# Altium PCB SysUprTestUUDown.PcbDoc (part 2 of 3)
Units mm, origin at the board's own origin, x right, y up, seen from the top; angles counter-clockwise.
Board outline 140.1 x 94.7 mm, 4 copper layers (Top Layer, Mid-Layer 1, Mid-Layer 2, Bottom Layer), stack 1.572 mm thick; 248 components, 135 nets, 1205 pads, 426 vias.
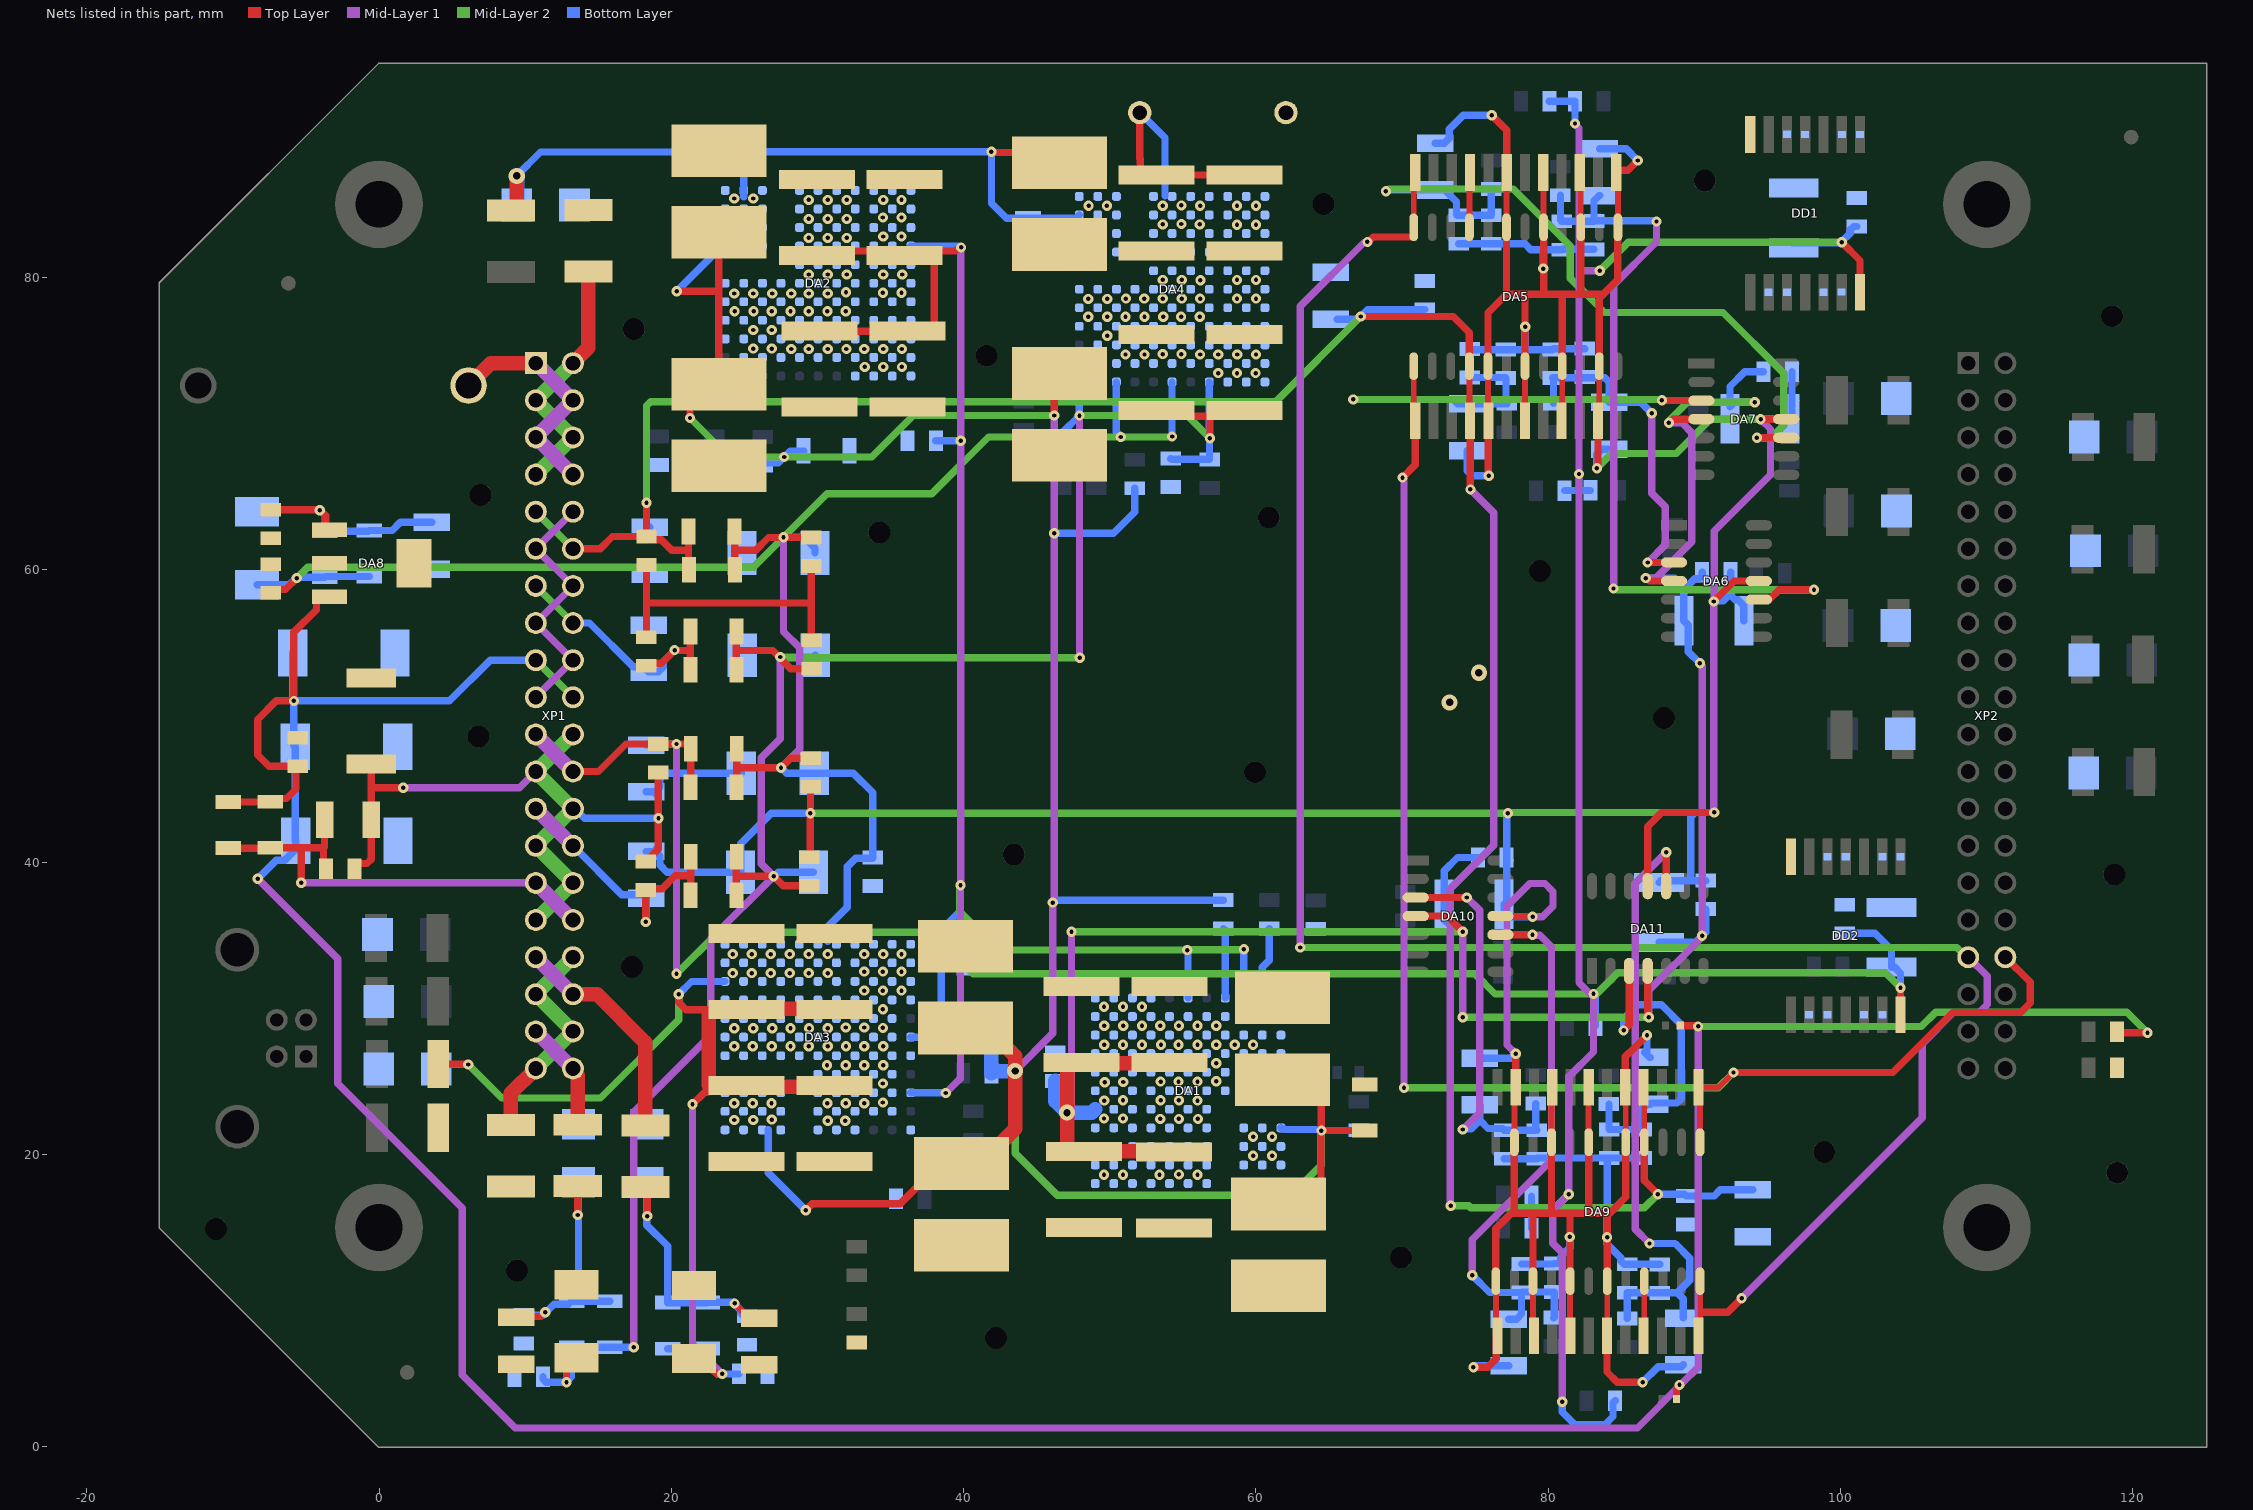
[diagram p4: the nets of this part, all layers, seen from the top]

## Part data (continued)
R19 R20 R21 R22 R24 R26 R28 R30 R43 R44 R54 R55 R56 R57 R59 R61 R63 R65: library part 2905, Manufacturer="АО «НПО «Эркон»", ManufacturerTU=ОЖ0.467.164ТУ, Package="0402 (1005)", PartNumber="Р1-8В-0,063-10 кОм±5 %-Т-А", PowerLimit=0,063, SolderTemperature=255, TemperatureRange="от минус 65 до 155", VoltageLimit=50, Alternative="0402 10 кОм, 0,062 Вт, ±5 %", Alternative2="Р1-8В-0,062-10 кОм±5 %-Т-А ОЖ0.467.164ТУ", CardKRR=68, ComponentLink1Description=Р1-8В, ComponentLink1URL=\\192.168.0.101\U_Base\PDF\R\Р1-8В.pdf, DataSheet=#\\192.168.0.101\U_Base\PDF\R\Р1-8В.pdf#, Group=Резисторы, HelpURL=\\192.168.0.101\U_Base\PDF\R\Р1-8В.pdf, key=2905, Mark=103, Mass=0,0007, MilitaryControl=ВП, Modify=28.06.2019, MountType=ПМ, Name=Р1-8В, SolderName=R1-8B-0.063-10kOm, ViewControl="В, 10%", X_SORT_1=400, X_SORT_2=100, X_SORT_3=2
R23 R25 R27 R29 R58 R60 R62 R64: library part 32904931, Manufacturer="АО «НПО «Эркон»", ManufacturerTU=ОЖ0.467.164ТУ, Package="0805 (2012)", PartNumber="Р1-8В-0,125-5,6 кОм±5 %-Т-А", PowerLimit=0,125, SolderTemperature=255, TemperatureRange="от минус 65 до 155", VoltageLimit=150, Alternative="0805 5,6 кОм, 0,125 Вт, ±5 %", Alternative2="Р1-8В-0,125-5,6 кОм±5 %-Т-А ОЖ0.467.164ТУ", CardKRR=68, ComponentLink1Description=Р1-8В, ComponentLink1URL=\\192.168.0.101\U_Base\PDF\R\Р1-8В.pdf, DataSheet=#\\192.168.0.101\U_Base\PDF\R\Р1-8В.pdf#, Group=Резисторы, HelpURL=\\192.168.0.101\U_Base\PDF\R\Р1-8В.pdf, key=32904931, Mark=562, Mass=0,006, MilitaryControl=ВП, Modify=28.06.2019, MountType=ПМ, Name=Р1-8В, SolderName=R1-8B-0.125-5.6kOm, ViewControl="В, 10%", X_SORT_1=400, X_SORT_2=100, X_SORT_3=2
R31 R32 R33 R34 R35 R36 R37 R38 R68 R69 R70 R71 R72 R73 R74 R75: library part 32904929, Manufacturer="АО «НПО «Эркон»", ManufacturerTU=ОЖ0.467.164ТУ, Package="0805 (2012)", PartNumber="Р1-8В-0,125-2 кОм±5 %-Т-А", PowerLimit=0,125, SolderTemperature=255, TemperatureRange="от минус 65 до 155", VoltageLimit=150, Alternative="0805 2 кОм, 0,125 Вт, ±5 %", Alternative2="Р1-8В-0,125-2 кОм±5 %-Т-А ОЖ0.467.164ТУ", CardKRR=68, ComponentLink1Description=Р1-8В, ComponentLink1URL=\\192.168.0.101\U_Base\PDF\R\Р1-8В.pdf, DataSheet=#\\192.168.0.101\U_Base\PDF\R\Р1-8В.pdf#, Group=Резисторы, HelpURL=\\192.168.0.101\U_Base\PDF\R\Р1-8В.pdf, key=32904929, Mark=202, Mass=0,006, MilitaryControl=ВП, Modify=28.06.2019, MountType=ПМ, Name=Р1-8В, SolderName=R1-8B-0.125-2kOm, ViewControl="В, 10%", X_SORT_1=400, X_SORT_2=100, X_SORT_3=2
R39 R40 R41 R42 R76 R77 R78 R79: library part 2901, Manufacturer="АО «НПО «Эркон»", ManufacturerTU=ОЖ0.467.164ТУ, Package="0402 (1005)", PartNumber="Р1-8В-0,063-1 кОм±5 %-Т-А", PowerLimit=0,063, SolderTemperature=255, TemperatureRange="от минус 65 до 155", VoltageLimit=50, Alternative="0402 1 кОм, 0,062 Вт, ±5 %", Alternative2="Р1-8В-0,062-1 кОм±5 %-Т-А ОЖ0.467.164ТУ", CardKRR=68, ComponentLink1Description=Р1-8В, ComponentLink1URL=\\192.168.0.101\U_Base\PDF\R\Р1-8В.pdf, DataSheet=#\\192.168.0.101\U_Base\PDF\R\Р1-8В.pdf#, Group=Резисторы, HelpURL=\\192.168.0.101\U_Base\PDF\R\Р1-8В.pdf, key=2901, Mark=102, Mass=0,0007, MilitaryControl=ВП, Modify=28.06.2019, MountType=ПМ, Name=Р1-8В, SolderName=R1-8B-0.063-1kOm, ViewControl="В, 10%", X_SORT_1=400, X_SORT_2=100, X_SORT_3=2
R45 R46 R47 R52 R53 R66 R80 R81: library part 3037, Manufacturer="АО «НПО «Эркон»", ManufacturerTU=ОЖ0.467.164ТУ, Package="1206 (3216)", PartNumber="Р1-8В-0,25-100 Ом±5 %-Т-А", PowerLimit=0,25, SolderTemperature=255, TemperatureRange="от минус 65 до 155", VoltageLimit=200, Alternative="1206 100 Ом, 0,25 Вт, ±5 %", Alternative2="Р1-8В-0,25-100 Ом±5 %-Т-А ОЖ0.467.164ТУ", CardKRR=68, ComponentLink1Description=Р1-8В, ComponentLink1URL=\\192.168.0.253\U_Base\PDF\R\Р1-8В.pdf, DataSheet=\\192.168.0.253\U_Base\PDF\R\Р1-8В.pdf, Group=Резисторы, HelpURL=\\192.168.0.253\U_Base\PDF\R\Р1-8В.pdf, key=3037, Mark=101, Mass=0,01, MilitaryControl=ВП, Modify=28.06.2019, MountType=ПМ, Name=Р1-8В, SolderName=R1-8B-0.25-100Om, ViewControl="В, 10%", X_SORT_1=400, X_SORT_2=100, X_SORT_3=2
R48 R49 R50 R51 R82 R83 R84 R85: library part 32904937, Manufacturer="АО «НПО «Эркон»", ManufacturerTU=ОЖ0.467.164ТУ, Package="0805 (2012)", PartNumber="Р1-8В-0,125-20 кОм±5 %-Т-А", PowerLimit=0,125, SolderTemperature=255, TemperatureRange="от минус 65 до 155", VoltageLimit=150, Alternative="0805 20 кОм, 0,125 Вт, ±5 %", Alternative2="Р1-8В-0,125-20 кОм±5 %-Т-А ОЖ0.467.164ТУ", CardKRR=68, ComponentLink1Description=Р1-8В, ComponentLink1URL=\\192.168.0.101\U_Base\PDF\R\Р1-8В.pdf, DataSheet=#\\192.168.0.101\U_Base\PDF\R\Р1-8В.pdf#, Group=Резисторы, HelpURL=\\192.168.0.101\U_Base\PDF\R\Р1-8В.pdf, key=32904937, Mark=203, Mass=0,006, MilitaryControl=ВП, Modify=17.01.2023, MountType=ПМ, Name=Р1-8В, SolderName=R1-8B-0.125-20kOm, ViewControl="В, 10%", X_SORT_1=400, X_SORT_2=100, X_SORT_3=2
R67: library part 3121, Manufacturer="АО «НПО «Эркон»", ManufacturerTU=ОЖ0.467.164ТУ, Package="2512 (6432)", PartNumber="Р1-8В-1,0-0,15 Ом±20 %-А", PowerLimit=1, SolderTemperature=255, TemperatureRange="от минус 65 до 155", VoltageLimit=200, Alternative="2512 0,15 Ом, 1 Вт, ±5 %", Alternative2="Р1-8В-1,0-0,15 Ом±20 %-А ОЖ0.467.164ТУ", CardKRR=68, ComponentLink1Description=Р1-8В, ComponentLink1URL=\\192.168.0.253\U_Base\PDF\R\Р1-8В.pdf, DataSheet=\\192.168.0.253\U_Base\PDF\R\Р1-8В.pdf, Group=Резисторы, HelpURL=\\192.168.0.253\U_Base\PDF\R\Р1-8В.pdf, key=3121, Mark=0R15, Mass=0,04, MilitaryControl=ВП, Modify=28.06.2019, MountType=ПМ, Name=Р1-8В, SolderName=R1-8B-1.0-0.15Om, ViewControl="В, 10%", X_SORT_1=400, X_SORT_2=100, X_SORT_3=2
R86: library part 2965, Manufacturer="АО «НПО «Эркон»", ManufacturerTU=ОЖ0.467.164ТУ, Package="0805 (2012)", PartNumber="Р1-8В-0,125-100 кОм±5 %-Т-А", PowerLimit=0,125, SolderTemperature=255, TemperatureRange="от минус 65 до 155", VoltageLimit=150, Alternative="0805 100 кОм, 0,125 Вт, ±5 %", Alternative2="Р1-8В-0,125-100 кОм±5 %-Т-А ОЖ0.467.164ТУ", CardKRR=68, ComponentLink1Description=Р1-8В, ComponentLink1URL=\\192.168.0.101\U_Base\PDF\R\Р1-8В.pdf, DataSheet=#\\192.168.0.101\U_Base\PDF\R\Р1-8В.pdf#, Group=Резисторы, HelpURL=\\192.168.0.101\U_Base\PDF\R\Р1-8В.pdf, key=2965, Mark=104, Mass=0,006, MilitaryControl=ВП, Modify=28.06.2019, MountType=ПМ, Name=Р1-8В, SolderName=R1-8B-0.125-100kOm, ViewControl="В, 10%", X_SORT_1=400, X_SORT_2=100, X_SORT_3=2
R87: library part 2960, Manufacturer="АО «НПО «Эркон»", ManufacturerTU=ОЖ0.467.164ТУ, Package="0805 (2012)", PartNumber="Р1-8В-0,125-1,5 кОм±5 %-Т-А", PowerLimit=0,125, SolderTemperature=255, TemperatureRange="от минус 65 до 155", VoltageLimit=150, Alternative="0805 1,5 кОм, 0,125 Вт, ±5 %", Alternative2="Р1-8В-0,125-1,5 кОм±5 %-Т-А ОЖ0.467.164ТУ", CardKRR=68, ComponentLink1Description=Р1-8В, ComponentLink1URL=\\192.168.0.101\U_Base\PDF\R\Р1-8В.pdf, DataSheet=#\\192.168.0.101\U_Base\PDF\R\Р1-8В.pdf#, Group=Резисторы, HelpURL=\\192.168.0.101\U_Base\PDF\R\Р1-8В.pdf, key=2960, Mark=152, Mass=0,006, MilitaryControl=ВП, Modify=28.06.2019, MountType=ПМ, Name=Р1-8В, SolderName=R1-8B-0.125-1.5kOm, ViewControl="В, 10%", X_SORT_1=400, X_SORT_2=100, X_SORT_3=2
REPER1 REPER2 REPER3 REPER4 REPER5 REPER6: library part 27
VD1: library part 93, Manufacturer=MIC, Package=DO-201, PartNumber=HER307, SolderTemperature=260, TemperatureRange="от минус 65 до 150", CardKRR=55, ComponentLink1Description=HER307, ComponentLink1URL=\\192.168.0.101\U_Base\PDF\V\HER307.pdf, DataSheet=#\\192.168.0.101\U_Base\PDF\V\HER307.pdf#, Group=Диоды, HelpURL=\\192.168.0.101\U_Base\PDF\V\HER307.pdf, key=93, MilitaryControl=ОТК, Modify=14.03.2019, MountType=РМ, Name=HER307, Notice="DC Components", SolderName=HER307, ViewControl="В, 10%", X_SORT_1=500, X_SORT_2=300, X_SORT_3=2
VD2: library part 167, Manufacturer=STMicroelectronics, PartNumber=SMBJ58CA, TemperatureRange="от минус 55 до 150", CardKRR=55, ComponentLink1URL=\\192.168.0.101\U_Base\PDF\V\Bourns_SMBJ.pdf, DataSheet=#\\192.168.0.101\U_Base\PDF\V\Bourns_SMBJ.pdf#, Group=Диоды, HelpURL=\\192.168.0.101\U_Base\PDF\V\Bourns_SMBJ.pdf, key=167, Modify=20.01.2023, Name=SMBJ58CA, SolderName=SMBJ58CA, X_SORT_3=2
VD3: library part 23, Manufacturer="АО «НИИПП»", ManufacturerTU=АЕЯР.432120.206ТУ, Package=KD-4, PartNumber="Диод Шоттки 3Д713А", TemperatureRange="от минус 65 до 125", Alternative=SR160, CardKRR=55, ComponentLink1Description=3Д713, ComponentLink1URL="\\192.168.0.101\U_Base\PDF\V\РД 11 0909.3-2005.pdf", DataSheet="#\\192.168.0.101\U_Base\PDF\V\РД 11 0909.3-2005.pdf#", Group=Диоды, HelpURL="\\192.168.0.101\U_Base\PDF\V\РД 11 0909.3-2005.pdf", key=23, Mass=0,001, MilitaryControl=ВП, Modify=14.03.2019, MountType=РМ, Name=3Д713А, SolderName=3D713A, ViewControl="В, 10%", X_SORT_1=500, X_SORT_2=300, X_SORT_3=2
VD4 VD5 VD6 VD7 VD10 VD11 VD12 VD13: library part 166, Manufacturer=STMicroelectronics, PartNumber=SMBJ18CA, TemperatureRange="от минус 55 до 150", CardKRR=55, ComponentLink1URL=\\192.168.0.101\U_Base\PDF\V\Bourns_SMBJ.pdf, DataSheet=#\\192.168.0.101\U_Base\PDF\V\Bourns_SMBJ.pdf#, Group=Диоды, HelpURL=\\192.168.0.101\U_Base\PDF\V\Bourns_SMBJ.pdf, key=166, Modify=20.01.2023, Name=SMBJ18CA, SolderName=SMBJ18CA, X_SORT_3=2
VD8 VD9 VD14 VD15 VD16: library part 163, Manufacturer=STMicroelectronics, PartNumber="Диод защитный SMBJ5.0CA-TR", SolderTemperature=260, TemperatureRange="от минус 55 до 150", VoltageLimit=13,4, Alternative="SMBJ5.0CA-TR YJ", CardKRR=56, ComponentLink1URL=\\192.168.0.101\U_Base\PDF\V\SMBJ.pdf, DataSheet=#\\192.168.0.101\U_Base\PDF\V\SMBJ.pdf#, Group=Диоды, HelpURL=\\192.168.0.101\U_Base\PDF\V\SMBJ.pdf, key=163, Mass=0.26, MilitaryControl=ОТК, Modify=05.12.2022, MountType=ПМ, Name=SMBJ5.0CA, SolderName=SMBJ5.0CA, ViewControl="В, 10%", X_SORT_3=2
XP1 XP2: library part 60, CurrentLimit=1, Manufacturer="АО «Карачевский завод Электродеталь»", ManufacturerTU=РЮМК.430420.011ТУ, Package=PLD, PartNumber="Вилка СНП346-40ВП22-2-В", PowerLimit=250, TemperatureRange="от минус 60 до 85", Alternative=PLD-40, Alternative2="СНП346-40ВП22-2 РЮМК.430420.019ТУ", CardKRR=75, ComponentLink1Description=СНП346, ComponentLink1URL=\\192.168.0.101\U_Base\PDF\X\СНП346.pdf, DataSheet=#\\192.168.0.101\U_Base\PDF\X\СНП346.pdf#, Group=Соединители, HelpURL=\\192.168.0.101\U_Base\PDF\X\СНП346.pdf, key=60, Mass=0,0024, MilitaryControl=ВП, Modify=19.09.2018, MountType=РМ, Name=СНП346-40ВП22-2-В, SolderName=SNP346-40VP22-2, ViewControl="В, 10%", VoltageLimit=250, X_SORT_1=700, X_SORT_2=600, X_SORT_3=2
  XP1: Conn01Name=+48V_IN, Conn02Name=GND_IN, Conn03Name=GND_IN, Conn04Name=+48V_IN, Conn05Name=+48V_IN, Conn06Name=GND_IN, Conn07Name=GND_IN, Conn08Name=+48V_IN, Conn09Name=+5V_D, Conn10Name=GND, Conn11Name=GND, Conn12Name=+5V_D, Conn13Name=-5V_D, Conn14Name=GND, Conn15Name=GND, Conn16Name=-5V_D, Conn17Name=+3.3V_D, Conn18Name=GND, Conn19Name=GND, Conn20Name=+3.3V_D, Conn21Name=-5V_D, Conn22Name=GNDA, Conn23Name=GNDA, Conn24Name=-5V_D, Conn25Name=-5V_A, Conn26Name=GNDA, Conn27Name=GNDA, Conn28Name=-5V_A, Conn29Name=+3.3V_A, Conn30Name=GNDA, Conn31Name=GNDA, Conn32Name=+3.3V_A, Conn33Name=+5V_PCB, Conn34Name=GND_PCB, Conn35Name=GND_PCB, Conn36Name=+5V_PCB, Conn37Name=-5V_PCB, Conn38Name=GND_PCB, Conn39Name=GND_PCB, Conn40Name=-5V_PCB
  XP2: Conn01Name=VOLT1_UIM, Conn02Name=VOLT1_EN, Conn03Name=VOLT1_PCB, Conn04Name=VOLT2_UIM, Conn05Name=VOLT2_EN, Conn06Name=VOLT2_PCB, Conn07Name=VOLT3_UIM, Conn08Name=VOLT3_EN, Conn09Name=VOLT3_PCB, Conn10Name=VOLT4_UIM, Conn11Name=VOLT4_EN, Conn12Name=VOLT4_PCB, Conn13Name=VOLT5_UIM, Conn14Name=VOLT5_EN, Conn15Name=VOLT5_PCB, Conn16Name=VOLT6_UIM, Conn17Name=VOLT6_EN, Conn18Name=VOLT6_PCB, Conn19Name=VOLT7_UIM, Conn20Name=VOLT7_EN, Conn21Name=VOLT7_PCB, Conn22Name=VOLT8_UIM, Conn23Name=VOLT8_EN, Conn24Name=VOLT8_PCB, Conn25Name=Not_Used, Conn26Name=Not_Used, Conn27Name=Not_Used, Conn28Name=Not_Used, Conn29Name=Not_Used, Conn30Name=Not_Used, Conn31Name=Not_Used, Conn32Name=Not_Used, Conn33Name=DS_MOSI, Conn34Name=DS_MISO, Conn35Name=SHCP_CLK, Conn36Name=STCP_CS1, Conn37Name=STCP_CS2, Conn38Name=OTG_FS_DP, Conn39Name=OTG_FS_DM, Conn40Name=OTG_FS_ID
XS1: library part 445, Manufacturer="KLS Electronic Co. Ltd", Package=L-KLS1, PartNumber="Розетка L-KLS1-151-W", TemperatureRange="от минус 35 до 85", CardKRR=75, ComponentLink1Description=L-KLS1, ComponentLink1URL=\\192.168.0.101\U_Base\PDF\X\L-KLS1-151-W.pdf, Conn01Name=1, Conn02Name=2, Conn03Name=3, Conn04Name=4, Conn05Name=5, Conn06Name=6, Conn07Name=7, Conn08Name=8, Conn09Name=9, Conn10Name=10, Conn11Name=11, Conn12Name=12, Conn13Name=13, Conn14Name=14, Conn15Name=15, Conn16Name=16, Conn17Name=17, Conn18Name=18, Conn19Name=19, Conn20Name=20, Conn21Name=21, Conn22Name=22, Conn23Name=23, Conn24Name=24, Conn25Name=25, Conn26Name=26, Conn27Name=27, Conn28Name=28, Conn29Name=29, Conn30Name=30, Conn31Name=31, Conn32Name=32, Conn33Name=33, Conn34Name=34, Conn35Name=35, Conn36Name=36, Conn37Name=37, Conn38Name=38, Conn39Name=39, Conn40Name=40, DataSheet=#\\192.168.0.101\U_Base\PDF\X\L-KLS1-151-W.pdf#, Group=Соединители, HelpURL=\\192.168.0.101\U_Base\PDF\X\L-KLS1-151-W.pdf, key=445, MilitaryControl=отк, Modify=01.09.2022, MountType=РМ, Name=L-KLS1-151-W, ViewControl=В,100%, X_SORT_3=2

## Free pads (board coordinates)
  round 1.5 hole 1.5 unplated: 0(-11.15,14.9) 0(6.803,48.59) 0(6.953,65.115) 0(9.428,12.065) 0(17.303,32.815) 0(17.428,76.465) 0(34.228,62.54) 0(41.553,74.64) 0(42.203,7.44) 0(43.428,40.515) 0(59.928,46.14) 0(60.875,63.575) 0(64.628,85.015) 0(69.928,12.94) 0(79.428,59.915) 0(87.928,49.84) 0(90.703,86.615) 0(98.878,20.165) 0(118.578,77.34) 0(118.728,39.14) 0(118.928,18.74)
  round 6 hole 3.2 unplated: 0(0,15) 0(0,85) 0(110,15) 0(110,85)

## Via types
v1: diameter 0.7, hole 0.3, Top Layer to Bottom Layer, tented both sides, 421 vias
v2: diameter 1.1, hole 0.5, Top Layer to Bottom Layer, tented both sides, 5 vias

## Nets (pads, with @x,y where several pads share a name; then routed paths per layer and width w, separated by ;. In a path a pad name is that pad's centre, name@x,y a point inside that pad or via, vN(x,y) a via of type N, cw(c..) or ccw(c..) an arc to the next point about the centre after c; other vN are vias at no path point)
+3.3V_A: C77.2 C78.2 L6.2 R66.2 XP1.29 XP1.32 | length 32.1
  Top Layer w0.5: L6.2@-10.325,40.95 -7.475,40.95 R66.2@-7.45,40.975 -5.325,40.975 ; v1(-5.325,38.575) -5.325,40.975 ; C77.2@-3.725,42.894 -3.725,41.05 -3.8,40.975 ; C78.2@-3.625,39.525 -3.8,39.7 -3.8,40.975 ; -5.325,40.975 -3.8,40.975
  Mid-Layer 1 w0.5: v1(-5.325,38.575) 10.725,38.575 XP1.29@10.73,38.57
  Mid-Layer 1 w1: XP1.29@10.73,38.57 XP1.32@13.27,36.03
+3.3V_D: C63.2 C66.2 C68.2 C70.2 DA8.3 L6.1 R43.2 R44.2 R66.1 R87.1 XP1.17 XP1.20 | length 248.8
  Top Layer w0.5: L6.1@-10.325,44.1 -7.475,44.1 -7.225,44.35 -6.325,44.35 -5.68,44.995 C70.2@-5.68,46.55 ; C70.2@-5.55,46.55 C70.2@-5.68,46.55 ; DA8.3@-3.4,58.138 -4.03,58.138 -4.28,57.888 -4.28,57.257 -5.825,55.713 v1(-5.825,51.025) -7.025,51.025 -8.3,49.75 -8.3,47.325 -7.525,46.55 C70.2@-5.68,46.55 ; R44.2@88.775,3.25 88.775,3.971 88.975,4.171 v1(88.975,4.225) ; R43.2@89.025,28.8 90.146,28.8 90.196,28.75 v1(90.25,28.75) ; R87.1@118.9,28.4 118.975,28.325 v1(121,28.325)
  Mid-Layer 1 w0.5: v1(-8.3,38.85) -2.825,33.375 -2.825,24.85 5.7,16.325 5.7,4.9 9.325,1.275 86.1,1.275 89.175,4.35 90.25,5.425 v1(90.25,28.75)
  Mid-Layer 2 w0.5: XP1.17@10.73,53.81 XP1.20@13.27,51.27 ; v1(90.25,28.75) 105.525,28.75 106.5,29.725 119.6,29.725 v1(121,28.325)
  Bottom Layer w0.5: v1(-8.3,38.85) -7.03,40.12 -6.45,40.12 -5.7,40.87 C68.2@-5.7,41.45 -5.725,41.475 C63.2@-5.725,47.879 -5.825,47.979 v1(-5.825,51.025) ; C66.2@-5.9,54.308 -5.9,51.154 -5.825,51.079 v1(-5.825,51.025) ; XP1.17@10.73,53.81 7.61,53.81 4.825,51.025 v1(-5.825,51.025)
+5V_A: C33.2 C34.2 C71.2 C73.2 C75.2 C76.2 DD1.14 DD2.14 L4.2 R23.1 R25.1 R27.1 R29.1 R52.2 R58.1 R60.1 R62.1 R64.1 XP1.21 XP1.24 | length 266
  Top Layer w0.5: XP1.24@13.27,46.19 15.015,46.19 16.9,48.075 C73.2@19.1,48.075 v1(20.35,48.075) 21.1,48.075 21.325,47.85 R52.2@21.325,47.75 21.325,45.154 L4.2@21.3,45.129 ; v1(100.075,82.4) 101.325,81.15 DD1.14@101.325,78.975 ; DD2.14@104.1,29.55 v1(104.1,31.4)
  Mid-Layer 1 w0.5: v1(20.35,32.35) v1(20.35,48.075) ; v1(80.95,3.075) 80.95,13.275 80.3,13.925 80.3,16.175 v1(81.4,17.275) 81.4,25.3 83.096,26.996 v1(83.096,30.975) ; v1(81.825,90.525) 81.825,90.471 82.1,90.196 82.1,80.45 ; v1@82.986,30.864 82.1,31.75 v1(82.1,66.55) 82.1,80.45 ; v1(83.525,80.45) 82.1,80.45
  Mid-Layer 1 w1: XP1.21@10.73,48.73 XP1.24@13.27,46.19
  Mid-Layer 2 w0.5: v1(20.35,32.35) 23.2,35.2 37.8,35.2 40.65,32.35 74.975,32.35 76.35,30.975 v1(83.096,30.975) ; v1@83.204,30.875 84.754,32.425 103.075,32.425 v1(104.1,31.4) ; v1(83.525,80.45) 85.475,82.4 v1(100.075,82.4)
  Bottom Layer w0.5: C71.2@18.275,48 18.35,48.075 v1(20.35,48.075) ; R60.1@78.85,14.95 78.85,16.052 ; R58.1@78.85,17.154 78.85,16.052 ; R29.1@80.071,92.05 R25.1@81.825,92.05 v1(81.825,90.525) ; v1(80.95,3.075) 80.95,2.375 81.825,1.5 83.875,1.5 84.432,2.057 84.432,3.007 R64.1@84.575,3.15 ; R27.1@81.104,65.416 81.109,65.421 81.994,65.421 ; v1(81.4,17.275) 80.177,16.052 78.85,16.052 ; v1(82.1,66.55) 82.1,65.527 81.994,65.421 ; R23.1@82.879,65.421 81.994,65.421 ; v1(83.096,30.975) 83.096,30.921 83.225,30.792 R62.1@83.225,28.8 ; C34.2@96.7,82.35 v1@99.975,82.35 ; v1@100.05,82.425 100.65,83.025 100.65,83.25 100.875,83.475 C33.2@101.1,83.475 ; C75.2@100.271,35.125 102.35,35.125 103.475,34 C76.2@103.475,32.8 103.7,32.8 104.1,32.4 v1(104.1,31.4)
+5V_D: C53.2 C55.2 C57.1 C59.2 C67.2 C69.1 DA5.16 DA9.16 L2.2 R46.2 XP1.9 XP1.12 | length 174.8
  Top Layer w0.5: XP1.12@13.27,61.43 15.13,61.43 15.975,62.275 C59.2@18.3,62.275 ; v1(18.3,64.575) C59.2@18.3,62.275 ; R46.2@21.179,62.613 21.179,61.323 ; L2.2@21.204,60.009 21.179,60.034 21.179,61.323 ; v1(67.171,77.325) 73.5,77.325 74.6,76.225 DA5.16@74.6,73.925 ; DA5.16@74.65,70.175 74.65,65.514 v1(74.669,65.496) ; DA9.16@86.57,20.825 86.57,18.205 v1(87.5,17.275) ; C59.2@18.3,62.275 18.525,62.05 19.3,62.05 20.027,61.323 21.179,61.323
  Mid-Layer 1 w0.5: v1(73.325,16.475) 73.3,16.5 73.3,38.175 76.275,41.15 76.275,63.889 v1(74.669,65.496)
  Mid-Layer 2 w0.5: XP1.9@10.73,63.97 XP1.12@13.27,61.43 ; v1(18.3,64.575) 18.3,71.207 18.593,71.5 27.9,71.5 28.5,70.9 31.9,70.9 32.5,71.5 61.346,71.5 v1(67.171,77.325) ; v1(73.325,16.475) 74.55,16.475 74.675,16.35 86.575,16.35 v1(87.5,17.275)
  Bottom Layer w0.5: v1(18.3,64.575) 18.3,63.125 C55.2@18.525,62.9 ; C53.2@65.55,77.125 66.917,77.125 67.117,77.325 v1(67.171,77.325) 67.646,77.8 C57.1@71.55,77.8 ; v1(87.5,17.275) 89.3,17.275 C69.1@89.425,17.15 91.35,17.15 91.775,17.575 C67.2@94,17.575